# Altium PCB MB1166.PcbDoc (part 24 of 39)
Units mil, origin at the board's own origin, x right, y up, seen from the top; angles counter-clockwise.
Board outline 5000.99 x 2352.96 mil, 4 copper layers (TOP, L2_GND, L3_VCC, BOTTOM), stack 25.9 mil thick; 35 components, 24 nets, 166 pads, 143 vias.
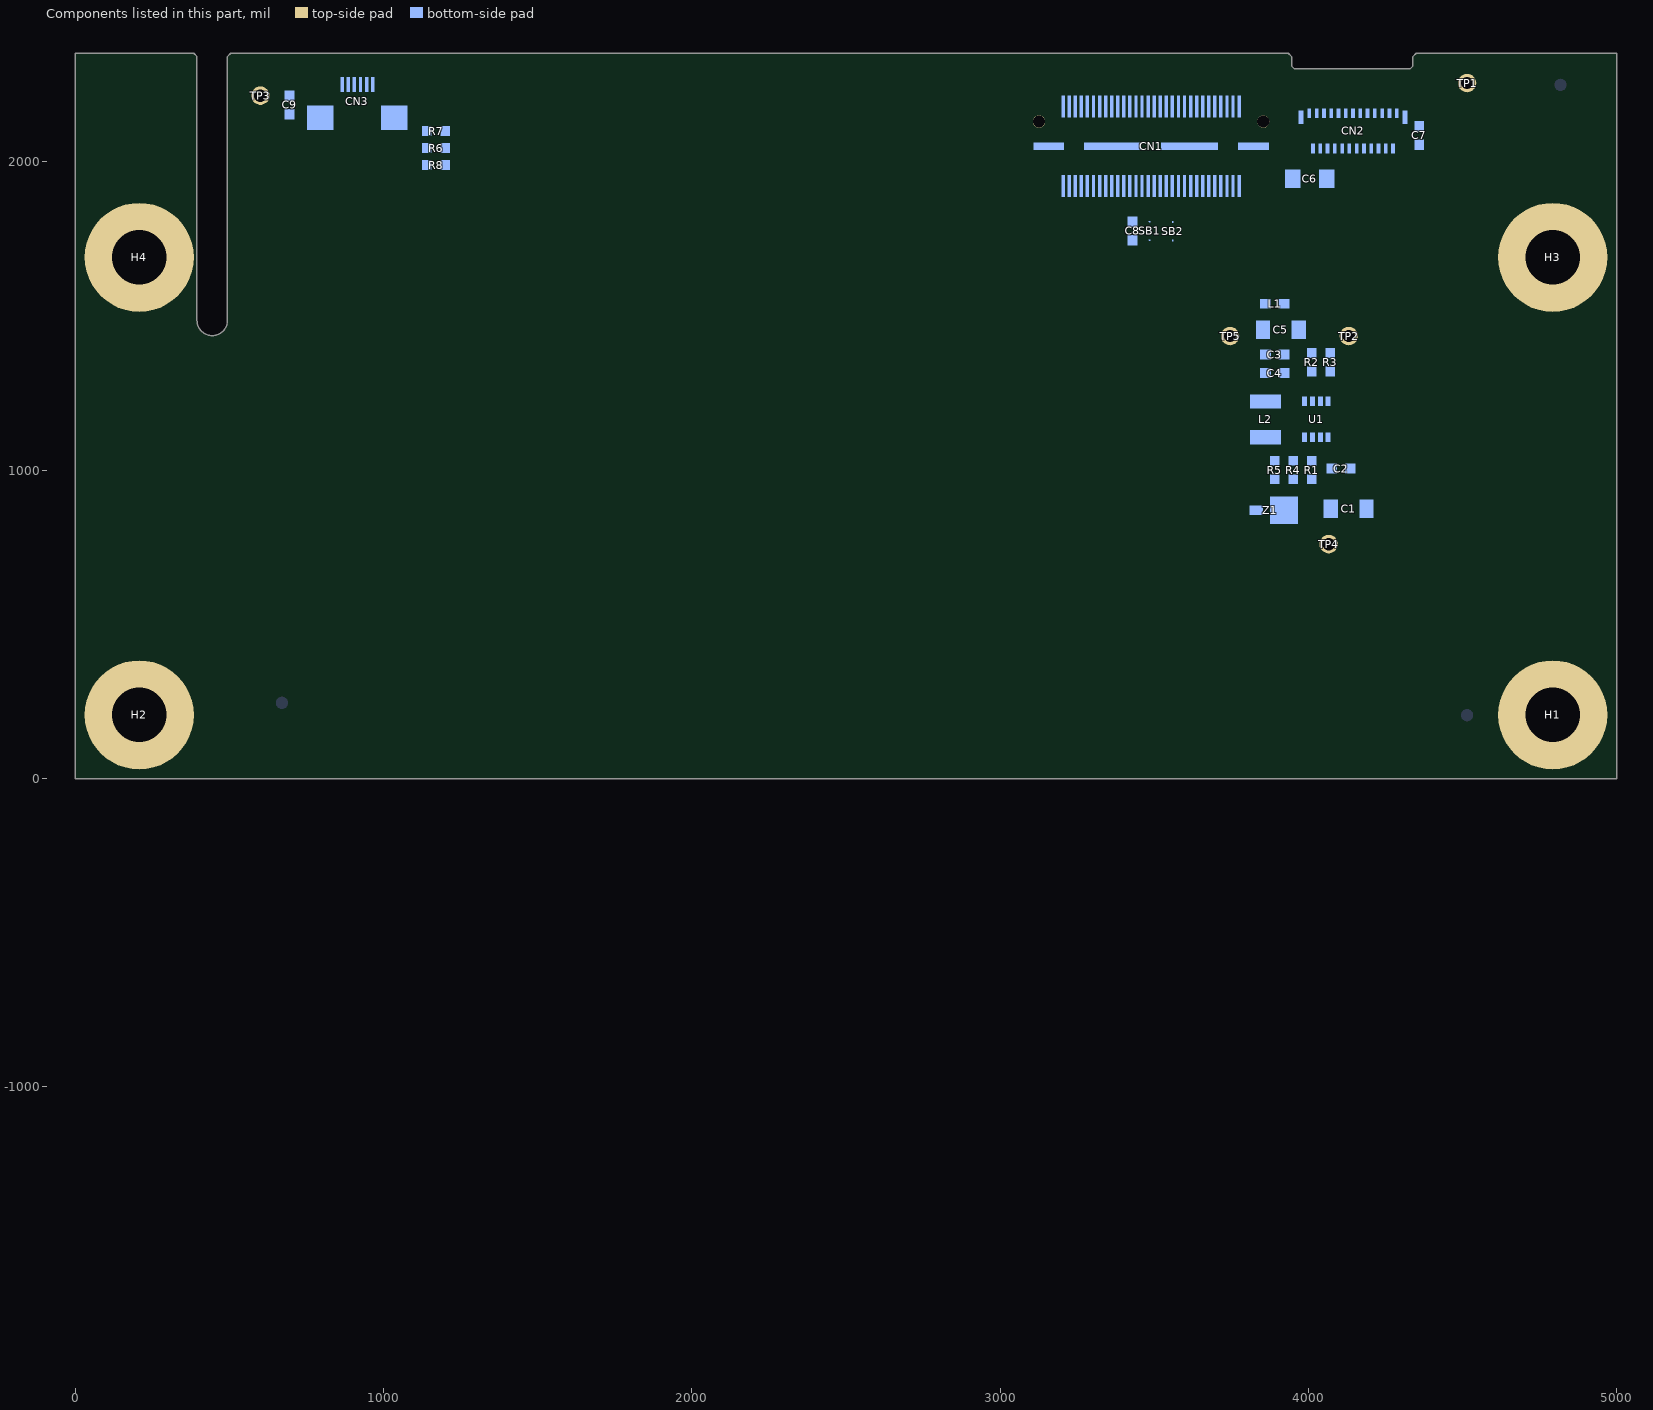
[diagram p26: the components of this part, seen from the top]

## Via types
v1: diameter 24, hole 12, TOP to BOTTOM, 143 vias

## Nets (pads, with @x,y where several pads share a name; then routed paths per layer and width w, separated by ;. In a path a pad name is that pad's centre, name@x,y a point inside that pad or via, vN(x,y) a via of type N, cw(c..) or ccw(c..) an arc to the next point about the centre after c; other vN are vias at no path point) (continued)
copper on no net: (continued)
  BOTTOM w2: 899.64,-1142.37 899.64,-1142.28 ; 899.64,-1142.36 923.55,-1118.44 899.64,-1142.36 ; 899.64,-1142.37 899.64,-1142.28 ; 899.64,-1142.28 899.65,-1142.18 ; 899.64,-1142.28 899.65,-1142.18 ; 899.65,-1142.18 899.65,-1142.08 ; 899.65,-1142.18 899.65,-1142.08 ; 899.65,-1142.08 899.66,-1141.98 ; 899.65,-1142.08 899.66,-1141.98 ; 899.66,-1141.98 899.66,-1141.78 ; 899.66,-1141.98 899.66,-1141.78 ; 899.66,-1141.78 899.67,-1141.68 ; 899.66,-1141.78 899.67,-1141.68 ; 899.67,-1141.68 899.67,-1140.88 ; 899.67,-1141.68 899.67,-1140.88 ; 899.67,-1140.88 899.66,-1140.78 ; 899.67,-1140.88 899.66,-1140.78 ; 899.66,-1140.78 899.66,-1140.68 ; 899.66,-1140.78 899.66,-1140.68 ; 899.66,-1140.68 899.65,-1140.58 ; 899.66,-1140.68 899.65,-1140.58 ; 899.65,-1140.58 899.65,-1140.48 ; 899.65,-1140.58 899.65,-1140.48 ; 899.71,-1211.4 899.8,-1211.36 ; 899.71,-1211.4 899.8,-1211.36 ; 899.8,-1211.36 899.89,-1211.31 ; 899.8,-1211.36 899.89,-1211.31 ; 899.89,-1211.31 899.98,-1211.27 ; 899.89,-1211.31 899.98,-1211.27 ; 899.98,-1211.27 900.06,-1211.22 ; 899.98,-1211.27 900.06,-1211.22 ; 900.06,-1211.22 900.15,-1211.17 ; 900.06,-1211.22 900.15,-1211.17 ; 900.15,-1211.17 900.24,-1211.13 ; 900.15,-1211.17 900.24,-1211.13 ; 900.24,-1211.13 900.33,-1211.08 ; 900.24,-1211.13 900.33,-1211.08 ; 900.33,-1211.08 900.42,-1211.04 ; 900.33,-1211.08 900.42,-1211.04 ; 900.42,-1211.04 900.6,-1210.94 ; 900.42,-1211.04 900.6,-1210.94 ; 900.6,-1210.94 900.68,-1210.89 ; 900.6,-1210.94 900.68,-1210.89 ; 900.58,-1106.74 901.18,-1106.8 ; 900.58,-1106.74 901.18,-1106.8 ; 900.68,-1210.89 900.77,-1210.85 ; 900.71,-1210.88 918.44,-1193.15 900.71,-1210.88 ; 900.68,-1210.89 900.77,-1210.85 ; 900.77,-1210.85 900.95,-1210.75 ; 900.77,-1210.85 900.95,-1210.75 ; 900.95,-1210.75 901.03,-1210.7 ; 900.95,-1210.75 901.03,-1210.7 ; 901.03,-1210.7 901.3,-1210.55 ; 901.03,-1210.7 901.3,-1210.55 ; 901.18,-1106.8 901.27,-1106.81 ; 901.18,-1106.8 901.27,-1106.81 ; 901.27,-1106.81 901.37,-1106.82 ; 901.27,-1106.81 901.37,-1106.82 ; 901.3,-1210.55 901.38,-1210.51 ; 901.3,-1210.55 901.38,-1210.51 ; 901.37,-1106.82 901.47,-1106.84 ; 901.37,-1106.82 901.47,-1106.84 ; 901.38,-1210.51 901.56,-1210.41 ; 901.38,-1210.51 901.56,-1210.41 ; 901.47,-1106.84 901.87,-1106.88 ; 901.47,-1106.84 901.87,-1106.88 ; 901.56,-1210.41 901.64,-1210.36 ; 901.56,-1210.41 901.64,-1210.36 ; 901.64,-1210.36 901.82,-1210.26 ; 901.64,-1210.36 901.82,-1210.26 ; 901.82,-1210.26 901.9,-1210.21 ; 901.82,-1210.26 901.9,-1210.21 ; 901.87,-1106.88 901.97,-1106.9 ; 901.87,-1106.88 901.97,-1106.9 ; 901.9,-1210.21 901.99,-1210.15 ; 901.9,-1210.21 901.99,-1210.15 ; 901.97,-1106.9 902.27,-1106.93 ; 901.97,-1106.9 902.27,-1106.93 ; 901.99,-1210.15 902.07,-1210.1 ; 901.99,-1210.15 902.07,-1210.1 ; 902.07,-1210.1 902.25,-1210 ; 902.07,-1210.1 902.25,-1210 ; 902.25,-1210 902.33,-1209.95 ; 902.25,-1210 902.33,-1209.95 ; 902.27,-1106.93 902.37,-1106.95 ; 902.27,-1106.93 902.37,-1106.95 ; 902.33,-1209.95 902.42,-1209.9 ; 902.33,-1209.95 902.42,-1209.9 ; 902.37,-1106.95 902.47,-1106.96 ; 902.37,-1106.95 902.47,-1106.96 ; 902.42,-1209.9 902.5,-1209.85 ; 902.42,-1209.9 902.5,-1209.85 ; 902.47,-1106.96 902.56,-1106.97 ; 902.47,-1106.96 902.56,-1106.97 ; 902.5,-1209.85 902.59,-1209.8 ; 902.5,-1209.85 902.59,-1209.8 ; 902.56,-1106.97 902.66,-1106.99 ; 902.56,-1106.97 902.66,-1106.99 ; 902.59,-1209.8 902.67,-1209.74 ; 902.59,-1209.8 902.67,-1209.74 ; 902.67,-1209.74 902.85,-1209.64 ; 902.67,-1209.74 902.85,-1209.64 ; 902.66,-1106.99 902.86,-1107.01 ; 902.66,-1106.99 902.86,-1107.01 ; 902.85,-1209.64 902.93,-1209.59 ; 902.85,-1209.64 902.93,-1209.59 ; 902.86,-1107.01 902.96,-1107.03 ; 902.86,-1107.01 902.96,-1107.03 ; 902.93,-1209.59 903.02,-1209.53 ; 902.93,-1209.59 903.02,-1209.53 ; 902.96,-1107.03 903.06,-1107.04 ; 902.96,-1107.03 903.06,-1107.04 ; 903.02,-1209.53 903.18,-1209.43 ; 903.02,-1209.53 903.18,-1209.43 ; 903.06,-1107.04 903.16,-1107.06 ; 903.06,-1107.04 903.16,-1107.06 ; 903.16,-1107.06 903.26,-1107.07 ; 903.16,-1107.06 903.26,-1107.07 ; 903.18,-1209.43 903.27,-1209.37 ; 903.18,-1209.43 903.27,-1209.37 ; 903.27,-1209.37 903.35,-1209.32 ; 903.27,-1209.37 903.35,-1209.32 ; 903.26,-1107.07 903.36,-1107.09 ; 903.26,-1107.07 903.36,-1107.09 ; 903.35,-1209.32 903.44,-1209.27 ; 903.35,-1209.32 903.44,-1209.27 ; 903.36,-1107.09 903.46,-1107.1 ; 903.36,-1107.09 903.46,-1107.1 ; 903.44,-1209.27 903.52,-1209.21 ; 903.44,-1209.27 903.52,-1209.21 ; 903.46,-1107.1 903.55,-1107.12 ; 903.46,-1107.1 903.55,-1107.12 ; 903.52,-1209.21 903.61,-1209.16 ; 903.52,-1209.21 903.61,-1209.16 ; 903.55,-1107.12 903.65,-1107.13 ; 903.55,-1107.12 903.65,-1107.13 ; 903.61,-1209.16 903.69,-1209.11 ; 903.61,-1209.16 903.69,-1209.11 ; 903.65,-1107.13 903.85,-1107.17 ; 903.65,-1107.13 903.85,-1107.17 ; 903.69,-1209.11 903.78,-1209.05 ; 903.69,-1209.11 903.78,-1209.05 ; 903.78,-1209.05 903.86,-1209 ; 903.78,-1209.05 903.86,-1209 ; 903.86,-1209 903.95,-1208.95 ; 903.86,-1209 903.95,-1208.95 ; 903.85,-1107.17 903.95,-1107.18 ; 903.85,-1107.17 903.95,-1107.18 ; 903.95,-1208.95 904.03,-1208.89 ; 903.95,-1208.95 904.03,-1208.89 ; 903.95,-1107.18 904.15,-1107.22 ; 903.95,-1107.18 904.15,-1107.22 ; 904.03,-1208.89 904.11,-1208.84 ; 904.03,-1208.89 904.11,-1208.84 ; 904.11,-1208.84 904.2,-1208.78 ; 904.11,-1208.84 904.2,-1208.78 ; 904.15,-1107.22 904.24,-1107.23 ; 904.15,-1107.22 904.24,-1107.23 ; 904.2,-1208.78 904.28,-1208.73 ; 904.2,-1208.78 904.28,-1208.73 ; 904.24,-1107.23 904.64,-1107.31 ; 904.24,-1107.23 904.64,-1107.31 ; 904.28,-1208.73 904.37,-1208.67 ; 904.28,-1208.73 904.37,-1208.67 ; 904.37,-1208.67 904.53,-1208.57 ; 904.37,-1208.67 904.53,-1208.57 ; 904.53,-1208.57 904.62,-1208.51 ; 904.53,-1208.57 904.62,-1208.51 ; 904.62,-1208.51 904.7,-1208.45 ; 904.62,-1208.51 904.7,-1208.45 ; 904.64,-1107.31 904.74,-1107.32 ; 904.64,-1107.31 904.74,-1107.32 ; 904.7,-1208.45 904.78,-1208.4 ; 904.7,-1208.45 904.78,-1208.4 ; 904.74,-1107.32 904.83,-1107.34 ; 904.74,-1107.32 904.83,-1107.34 ; 904.78,-1208.4 904.87,-1208.34 ; 904.78,-1208.4 904.87,-1208.34 ; 904.87,-1208.34 904.95,-1208.29 ; 904.87,-1208.34 904.95,-1208.29 ; 904.83,-1107.34 905.23,-1107.42 ; 904.83,-1107.34 905.23,-1107.42 ; 904.95,-1208.29 905.03,-1208.23 ; 904.95,-1208.29 905.03,-1208.23 ; 905.03,-1208.23 905.11,-1208.18 ; 905.03,-1208.23 905.11,-1208.18 ; 905.11,-1208.18 905.2,-1208.12 ; 905.11,-1208.18 905.2,-1208.12 ; 905.2,-1208.12 905.28,-1208.06 ; 905.2,-1208.12 905.28,-1208.06 ; 905.23,-1107.42 905.32,-1107.44 ; 905.23,-1107.42 905.32,-1107.44 ; 905.28,-1208.06 905.36,-1208.01 ; 905.28,-1208.06 905.36,-1208.01 ; 905.32,-1107.44 905.72,-1107.52 ; 905.32,-1107.44 905.72,-1107.52 ; 905.36,-1208.01 905.44,-1207.95 ; 905.36,-1208.01 905.44,-1207.95 ; 905.44,-1207.95 905.53,-1207.89 ; 905.44,-1207.95 905.53,-1207.89 ; 905.53,-1207.89 905.61,-1207.83 ; 905.53,-1207.89 905.61,-1207.83 ; 905.61,-1207.83 905.69,-1207.78 ; 905.61,-1207.83 905.69,-1207.78 ; 905.69,-1207.78 906.81,-1206.94 ; 905.69,-1207.78 906.81,-1206.94 ; 905.72,-1107.52 905.81,-1107.54 ; 905.72,-1107.52 905.81,-1107.54 ; 905.81,-1107.54 905.91,-1107.57 ; 905.81,-1107.54 905.91,-1107.57 ; 905.91,-1107.57 906.11,-1107.61 ; 905.91,-1107.57 906.11,-1107.61 ; 906.11,-1107.61 906.2,-1107.63 ; 906.11,-1107.61 906.2,-1107.63 ; 906.2,-1107.63 906.3,-1107.66 ; 906.2,-1107.63 906.3,-1107.66 ; 906.3,-1107.66 906.5,-1107.7 ; 906.3,-1107.66 906.5,-1107.7 ; 906.5,-1107.7 906.59,-1107.73 ; 906.5,-1107.7 906.59,-1107.73 ; 906.59,-1107.73 906.69,-1107.75 ; 906.59,-1107.73 906.69,-1107.75 ; 906.69,-1107.75 906.79,-1107.78 ; 906.69,-1107.75 906.79,-1107.78 ; 906.81,-1206.94 906.89,-1206.87 ; 906.81,-1206.94 906.89,-1206.87 ; 906.79,-1107.78 906.88,-1107.8 ; 906.79,-1107.78 906.88,-1107.8 ; 906.89,-1206.87 906.96,-1206.81 ; 906.89,-1206.87 906.96,-1206.81 ; 906.88,-1107.8 906.98,-1107.83 ; 906.88,-1107.8 906.98,-1107.83 ; 906.96,-1206.81 907.04,-1206.75 ; 906.96,-1206.81 907.04,-1206.75 ; 906.98,-1107.83 907.08,-1107.85 ; 906.98,-1107.83 907.08,-1107.85 ; 907.04,-1206.75 907.12,-1206.68 ; 907.04,-1206.75 907.12,-1206.68 ; 907.12,-1206.68 907.2,-1206.62 ; 907.12,-1206.68 907.2,-1206.62 ; 907.08,-1107.85 907.17,-1107.88 ; 907.08,-1107.85 907.17,-1107.88 ; 907.17,-1107.88 907.27,-1107.9 ; 907.17,-1107.88 887.13,-1127.92 907.17,-1107.88 ; 907.17,-1107.88 907.27,-1107.9 ; 907.2,-1206.62 907.27,-1206.55 ; 907.2,-1206.62 907.27,-1206.55 ; 907.27,-1206.55 907.35,-1206.49 ; 907.27,-1206.55 907.35,-1206.49 ; 907.27,-1107.9 907.37,-1107.93 ; 907.27,-1107.9 907.37,-1107.93 ; 907.35,-1206.49 907.42,-1206.42 ; 907.33,-1206.51 913.46,-1200.37 907.33,-1206.51 ; 907.35,-1206.49 907.42,-1206.42 ; 907.37,-1107.93 907.46,-1107.96 ; 907.37,-1107.93 907.46,-1107.96 ; 907.42,-1206.42 907.5,-1206.36 ; 907.42,-1206.42 907.5,-1206.36 ; 907.46,-1107.96 907.56,-1107.98 ; 907.46,-1107.96 907.56,-1107.98 ; 907.5,-1206.36 907.57,-1206.29 ; 907.5,-1206.36 907.57,-1206.29 ; 907.57,-1206.29 907.65,-1206.23 ; 907.57,-1206.29 907.65,-1206.23 ; 907.56,-1107.98 907.66,-1108.01 ; 907.56,-1107.98 907.66,-1108.01 ; 907.65,-1206.23 907.72,-1206.16 ; 907.65,-1206.23 907.72,-1206.16 ; 907.66,-1108.01 907.75,-1108.04 ; 907.66,-1108.01 907.75,-1108.04 ; 907.72,-1206.16 907.8,-1206.09 ; 907.72,-1206.16 907.8,-1206.09 ; 907.75,-1108.04 907.85,-1108.06 ; 907.75,-1108.04 907.85,-1108.06 ; 907.8,-1206.09 907.87,-1206.03 ; 907.8,-1206.09 907.87,-1206.03 ; 907.87,-1206.03 907.95,-1205.96 ; 907.87,-1206.03 907.95,-1205.96 ; 907.85,-1108.06 907.94,-1108.09 ; 907.85,-1108.06 907.94,-1108.09 ; 907.95,-1205.96 908.09,-1205.82 ; 907.95,-1205.96 908.09,-1205.82 ; 907.94,-1108.09 908.14,-1108.15 ; 907.94,-1108.09 908.14,-1108.15 ; 908.09,-1205.82 908.17,-1205.76 ; 908.09,-1205.82 908.17,-1205.76 ; 908.17,-1205.76 908.31,-1205.62 ; 908.17,-1205.76 908.31,-1205.62 ; 908.14,-1108.15 908.23,-1108.18 ; 908.14,-1108.15 908.23,-1108.18 ; 908.23,-1108.18 908.33,-1108.21 ; 908.23,-1108.18 908.33,-1108.21 ; 908.31,-1205.62 908.39,-1205.55 ; 908.31,-1205.62 908.39,-1205.55 ; 908.33,-1108.21 908.42,-1108.23 ; 908.33,-1108.21 908.42,-1108.23 ; 908.39,-1205.55 908.46,-1205.48 ; 908.39,-1205.55 908.46,-1205.48 ; 908.42,-1108.23 908.52,-1108.26 ; 908.42,-1108.23 908.52,-1108.26 ; 908.46,-1205.48 908.53,-1205.42 ; 908.46,-1205.48 908.53,-1205.42 ; 908.52,-1108.26 908.61,-1108.29 ; 908.52,-1108.26 908.61,-1108.29 ; 908.53,-1205.42 908.61,-1205.35 ; 908.53,-1205.42 908.61,-1205.35 ; 908.61,-1205.35 908.82,-1205.14 ; 908.61,-1205.35 908.82,-1205.14 ; 908.61,-1108.29 908.81,-1108.35 ; 908.61,-1108.29 908.81,-1108.35 ; 908.82,-1205.14 908.9,-1205.07 ; 908.82,-1205.14 908.9,-1205.07 ; 908.81,-1108.35 908.9,-1108.38 ; 908.81,-1108.35 908.9,-1108.38 ; 908.9,-1205.07 909.04,-1204.93 ; 908.9,-1205.07 909.04,-1204.93 ; 908.9,-1108.38 909,-1108.41 ; 908.91,-1108.39 889.09,-1128.21 908.91,-1108.39 ; 908.9,-1108.38 909,-1108.41 ; 909,-1108.41 909.09,-1108.44 ; 909,-1108.41 909.09,-1108.44 ; 909.04,-1204.93 909.11,-1204.87 ; 909.04,-1204.93 909.11,-1204.87 ; 909.11,-1204.87 909.19,-1204.8 ; 909.11,-1204.87 909.19,-1204.8 ; 909.09,-1108.44 909.19,-1108.47 ; 909.09,-1108.44 909.19,-1108.47 ; 909.19,-1204.8 909.4,-1204.59 ; 909.19,-1204.8 909.4,-1204.59 ; 909.19,-1108.47 909.28,-1108.5 ; 909.19,-1108.47 909.28,-1108.5 ; 909.28,-1108.5 909.38,-1108.54 ; 909.28,-1108.5 909.38,-1108.54 ; 909.4,-1204.59 909.48,-1204.52 ; 909.4,-1204.59 909.48,-1204.52 ; 909.38,-1108.54 909.47,-1108.57 ; 909.38,-1108.54 909.47,-1108.57 ; 909.47,-1108.57 909.57,-1108.6 ; 909.47,-1108.57 909.57,-1108.6 ; 909.48,-1204.52 909.69,-1204.31 ; 909.48,-1204.52 909.69,-1204.31 ; 909.57,-1108.6 909.66,-1108.63 ; 909.57,-1108.6 909.66,-1108.63 ; 909.66,-1108.63 909.76,-1108.66 ; 909.66,-1108.63 909.76,-1108.66 ; 909.69,-1204.31 909.77,-1204.25 ; 909.69,-1204.31 909.77,-1204.25 ; 909.77,-1204.25 909.98,-1204.04 ; 909.77,-1204.25 909.98,-1204.04 ; 909.76,-1108.66 909.85,-1108.69 ; 909.76,-1108.66 909.85,-1108.69 ; 909.85,-1108.69 909.95,-1108.73 ; 909.85,-1108.69 909.95,-1108.73 ; 909.95,-1108.73 910.04,-1108.76 ; 909.95,-1108.73 910.04,-1108.76 ; 909.98,-1204.04 910.06,-1203.97 ; 909.98,-1204.04 910.06,-1203.97 ; 910.06,-1203.97 910.27,-1203.76 ; 910.06,-1203.97 910.27,-1203.76 ; 910.04,-1108.76 910.14,-1108.79 ; 910.04,-1108.76 910.14,-1108.79 ; 910.14,-1108.79 910.23,-1108.82 ; 910.14,-1108.79 910.23,-1108.82 ; 910.27,-1203.76 910.35,-1203.69 ; 910.27,-1203.76 910.35,-1203.69 ; 910.23,-1108.82 910.32,-1108.86 ; 910.23,-1108.82 910.32,-1108.86 ; 910.32,-1108.86 910.42,-1108.89 ; 910.32,-1108.86 910.42,-1108.89 ; 910.35,-1203.69 910.7,-1203.34 ; 910.35,-1203.69 910.7,-1203.34 ; 910.42,-1108.89 910.51,-1108.92 ; 910.42,-1108.89 910.51,-1108.92 ; 910.51,-1108.92 910.61,-1108.95 ; 910.51,-1108.92 910.61,-1108.95 ; 910.61,-1108.95 910.7,-1108.99 ; 910.59,-1108.95 890.83,-1128.71 910.59,-1108.95 ; 910.61,-1108.95 910.7,-1108.99 ; 910.7,-1203.34 910.78,-1203.27 ; 910.7,-1203.34 910.78,-1203.27 ; 910.7,-1108.99 910.8,-1109.02 ; 910.7,-1108.99 910.8,-1109.02 ; 910.78,-1203.27 911.62,-1202.43 ; 910.78,-1203.27 911.62,-1202.43 ; 910.8,-1109.02 910.89,-1109.05 ; 910.8,-1109.02 910.89,-1109.05 ; 910.89,-1109.05 910.98,-1109.09 ; 910.89,-1109.05 910.98,-1109.09 ; 910.98,-1109.09 911.08,-1109.12 ; 910.98,-1109.09 911.08,-1109.12 ; 911.08,-1109.12 911.17,-1109.16 ; 911.08,-1109.12 911.17,-1109.16 ; 911.17,-1109.16 911.27,-1109.19 ; 911.17,-1109.16 911.27,-1109.19 ; 911.27,-1109.19 911.36,-1109.22 ; 911.27,-1109.19 911.36,-1109.22 ; 911.36,-1109.22 911.45,-1109.26 ; 911.36,-1109.22 911.45,-1109.26 ; 911.45,-1109.26 911.55,-1109.29 ; 911.45,-1109.26 911.55,-1109.29 ; 911.55,-1109.29 911.64,-1109.33 ; 911.55,-1109.29 911.64,-1109.33 ; 911.62,-1202.43 911.69,-1202.35 ; 911.62,-1202.43 911.69,-1202.35 ; 911.64,-1109.33 911.74,-1109.36 ; 911.64,-1109.33 911.74,-1109.36 ; 911.69,-1202.35 911.9,-1202.14 ; 911.69,-1202.35 911.9,-1202.14 ; 911.74,-1109.36 911.83,-1109.39 ; 911.74,-1109.36 911.83,-1109.39 ; 911.83,-1109.39 911.92,-1109.43 ; 911.83,-1109.39 911.92,-1109.43 ; 911.9,-1202.14 911.97,-1202.06 ; 911.9,-1202.14 911.97,-1202.06 ; 911.92,-1109.43 912.02,-1109.46 ; 911.92,-1109.43 912.02,-1109.46 ; 911.97,-1202.06 912.11,-1201.92 ; 911.97,-1202.06 912.11,-1201.92 ; 912.02,-1109.46 912.11,-1109.5 ; 912.02,-1109.46 912.11,-1109.5 ; 912.11,-1201.92 912.17,-1201.85 ; 912.11,-1201.92 912.17,-1201.85 ; 912.11,-1109.5 912.21,-1109.53 ; 912.11,-1109.5 912.21,-1109.53 ; 912.17,-1201.85 912.24,-1201.77 ; 912.17,-1201.85 912.24,-1201.77 ; 912.21,-1109.53 912.3,-1109.57 ; 912.21,-1109.53 912.3,-1109.57 ; 912.24,-1201.77 912.38,-1201.63 ; 912.24,-1201.77 912.38,-1201.63 ; 912.3,-1109.57 912.39,-1109.6 ; 912.3,-1109.57 912.39,-1109.6 ; 912.38,-1201.63 912.45,-1201.55 ; 912.38,-1201.63 912.45,-1201.55 ; 912.39,-1109.6 912.49,-1109.64 ; 912.39,-1109.6 912.49,-1109.64 ; 912.45,-1201.55 912.51,-1201.48 ; 912.45,-1201.55 912.51,-1201.48 ; 912.51,-1201.48 912.58,-1201.4 ; 912.51,-1201.48 912.58,-1201.4 ; 912.49,-1109.64 912.58,-1109.67 ; 912.49,-1109.64 912.58,-1109.67 ; 912.58,-1201.4 912.65,-1201.33 ; 912.58,-1201.4 912.65,-1201.33 ; 912.58,-1109.67 912.67,-1109.71 ; 912.58,-1109.67 912.67,-1109.71 ; 912.65,-1201.33 912.71,-1201.25 ; 912.65,-1201.33 912.71,-1201.25 ; 912.67,-1109.71 912.77,-1109.74 ; 912.67,-1109.71 912.77,-1109.74 ; 912.71,-1201.25 912.78,-1201.18 ; 912.71,-1201.25 912.78,-1201.18 ; 912.77,-1109.74 912.95,-1109.82 ; 912.77,-1109.74 912.95,-1109.82 ; 912.78,-1201.18 912.84,-1201.1 ; 912.78,-1201.18 912.84,-1201.1 ; 912.84,-1201.1 912.91,-1201.03 ; 912.84,-1201.1 912.91,-1201.03 ; 912.91,-1201.03 912.97,-1200.95 ; 912.91,-1201.03 912.97,-1200.95 ; 912.97,-1200.95 913.04,-1200.88 ; 912.97,-1200.95 913.04,-1200.88 ; 912.95,-1109.82 913.05,-1109.85 ; 912.95,-1109.82 913.05,-1109.85 ; 913.04,-1200.88 913.1,-1200.8 ; 913.04,-1200.88 913.1,-1200.8 ; 913.05,-1109.85 913.23,-1109.93 ; 913.05,-1109.85 913.23,-1109.93 ; 913.1,-1200.8 913.17,-1200.72 ; 913.1,-1200.8 913.17,-1200.72 ; 913.17,-1200.72 913.23,-1200.65 ; 913.17,-1200.72 913.23,-1200.65 ; 913.23,-1200.65 913.3,-1200.57 ; 913.23,-1200.65 913.3,-1200.57 ; 913.23,-1109.93 913.33,-1109.96 ; 913.23,-1109.93 913.33,-1109.96 ; 913.3,-1200.57 913.36,-1200.49 ; 913.3,-1200.57 913.36,-1200.49 ; 913.36,-1200.49 913.43,-1200.42 ; 913.36,-1200.49 913.43,-1200.42 ; 913.33,-1109.96 913.51,-1110.04 ; 913.33,-1109.96 913.51,-1110.04 ; 913.43,-1200.42 913.55,-1200.26 ; 913.43,-1200.42 913.55,-1200.26 ; 913.51,-1110.04 913.6,-1110.07 ; 913.51,-1110.04 913.6,-1110.07 ; 913.55,-1200.26 913.62,-1200.18 ; 913.55,-1200.26 913.62,-1200.18 ; 913.62,-1200.18 913.68,-1200.11 ; 913.62,-1200.18 913.68,-1200.11 ; 913.6,-1110.07 913.7,-1110.11 ; 913.6,-1110.07 913.7,-1110.11 ; 913.68,-1200.11 913.74,-1200.03 ; 913.68,-1200.11 913.74,-1200.03 ; 913.7,-1110.11 913.97,-1110.23 ; 913.7,-1110.11 913.97,-1110.23 ; 913.74,-1200.03 913.81,-1199.95 ; 913.74,-1200.03 913.81,-1199.95 ; 913.81,-1199.95 913.87,-1199.87 ; 913.81,-1199.95 913.87,-1199.87 ; 913.87,-1199.87 913.93,-1199.8 ; 913.87,-1199.87 913.93,-1199.8 ; 913.93,-1199.8 914.05,-1199.64 ; 913.93,-1199.8 914.05,-1199.64 ; 913.97,-1110.23 914.07,-1110.27 ; 913.97,-1110.23 914.07,-1110.27 ; 914.05,-1199.64 914.12,-1199.56 ; 914.05,-1199.64 914.12,-1199.56 ; 914.07,-1110.27 914.61,-1110.51 ; 914.07,-1110.27 914.61,-1110.51 ; 914.12,-1199.56 914.42,-1199.16 ; 914.12,-1199.56 914.42,-1199.16 ; 914.42,-1199.16 914.48,-1199.09 ; 914.42,-1199.16 914.48,-1199.09 ; 914.48,-1199.09 915.08,-1198.29 ; 914.48,-1199.09 915.08,-1198.29 ; 914.61,-1110.51 914.71,-1110.55 ; 914.61,-1110.51 914.71,-1110.55 ; 914.71,-1110.55 914.8,-1110.59 ; 914.71,-1110.55 914.8,-1110.59 ; 914.8,-1110.59 914.89,-1110.64 ; 914.8,-1110.59 914.89,-1110.64 ; 914.89,-1110.64 914.98,-1110.68 ; 914.89,-1110.64 914.98,-1110.68 ; 914.98,-1110.68 915.07,-1110.73 ; 914.98,-1110.68 915.07,-1110.73 ; 915.07,-1110.73 915.16,-1110.77 ; 915.07,-1110.73 915.16,-1110.77 ; 915.08,-1198.29 915.14,-1198.2 ; 915.08,-1198.29 915.14,-1198.2 ; 915.14,-1198.2 915.44,-1197.8 ; 915.14,-1198.2 915.44,-1197.8 ; 915.16,-1110.77 915.24,-1110.81 ; 915.16,-1110.77 915.24,-1110.81 ; 915.24,-1110.81 915.42,-1110.91 ; 915.24,-1110.81 915.42,-1110.91 ; 915.42,-1110.91 915.51,-1110.95 ; 915.39,-1110.89 894.95,-1131.33 915.39,-1110.89 ; 915.42,-1110.91 915.51,-1110.95 ; 915.44,-1197.8 915.49,-1197.72 ; 915.44,-1197.8 915.49,-1197.72 ; 915.49,-1197.72 915.67,-1197.48 ; 915.49,-1197.72 915.67,-1197.48 ; 915.51,-1110.95 915.69,-1111.05 ; 915.51,-1110.95 915.69,-1111.05 ; 915.67,-1197.48 915.73,-1197.39 ; 915.67,-1197.48 915.73,-1197.39 ; 915.69,-1111.05 915.77,-1111.1 ; 915.69,-1111.05 915.77,-1111.1 ; 915.73,-1197.39 915.78,-1197.31 ; 915.73,-1197.39 915.78,-1197.31 ; 915.77,-1111.1 915.86,-1111.15 ; 915.77,-1111.1 915.86,-1111.15 ; 915.78,-1197.31 915.96,-1197.07 ; 915.78,-1197.31 915.96,-1197.07 ; 915.86,-1111.15 915.95,-1111.19 ; 915.86,-1111.15 915.95,-1111.19 ; 915.96,-1197.07 916.01,-1196.98 ; 915.96,-1197.07 916.01,-1196.98 ; 915.95,-1111.19 916.04,-1111.25 ; 915.95,-1111.19 916.04,-1111.25 ; 916.01,-1196.98 916.13,-1196.82 ; 916.01,-1196.98 916.13,-1196.82 ; 916.04,-1111.25 916.12,-1111.3 ; 916.04,-1111.25 916.12,-1111.3 ; 916.12,-1111.3 916.21,-1111.35 ; 916.12,-1111.3 916.21,-1111.35 ; 916.13,-1196.82 916.18,-1196.74 ; 916.13,-1196.82 916.18,-1196.74 ; 916.18,-1196.74 916.24,-1196.65 ; 916.18,-1196.74 916.24,-1196.65 ; 916.21,-1111.35 916.29,-1111.4 ; 916.21,-1111.35 916.29,-1111.4 ; 916.24,-1196.65 916.3,-1196.57 ; 916.24,-1196.65 916.3,-1196.57 ; 916.3,-1196.57 916.35,-1196.49 ; 916.3,-1196.57 916.35,-1196.49 ; 916.29,-1111.4 916.38,-1111.45 ; 916.29,-1111.4 916.38,-1111.45 ; 916.35,-1196.49 916.41,-1196.41 ; 916.35,-1196.49 916.41,-1196.41 ; 916.41,-1196.41 916.47,-1196.32 ; 916.41,-1196.41 916.47,-1196.32 ; 916.38,-1111.45 916.46,-1111.51 ; 916.38,-1111.45 916.46,-1111.51 ; 916.47,-1196.32 916.52,-1196.24 ; 916.47,-1196.32 916.52,-1196.24 ; 916.46,-1111.51 916.55,-1111.56 ; 916.46,-1111.51 916.55,-1111.56 ; 916.52,-1196.24 916.58,-1196.16 ; 916.52,-1196.24 916.58,-1196.16 ; 916.55,-1111.56 916.63,-1111.62